# KiCad board Keeb.kicad_pcb
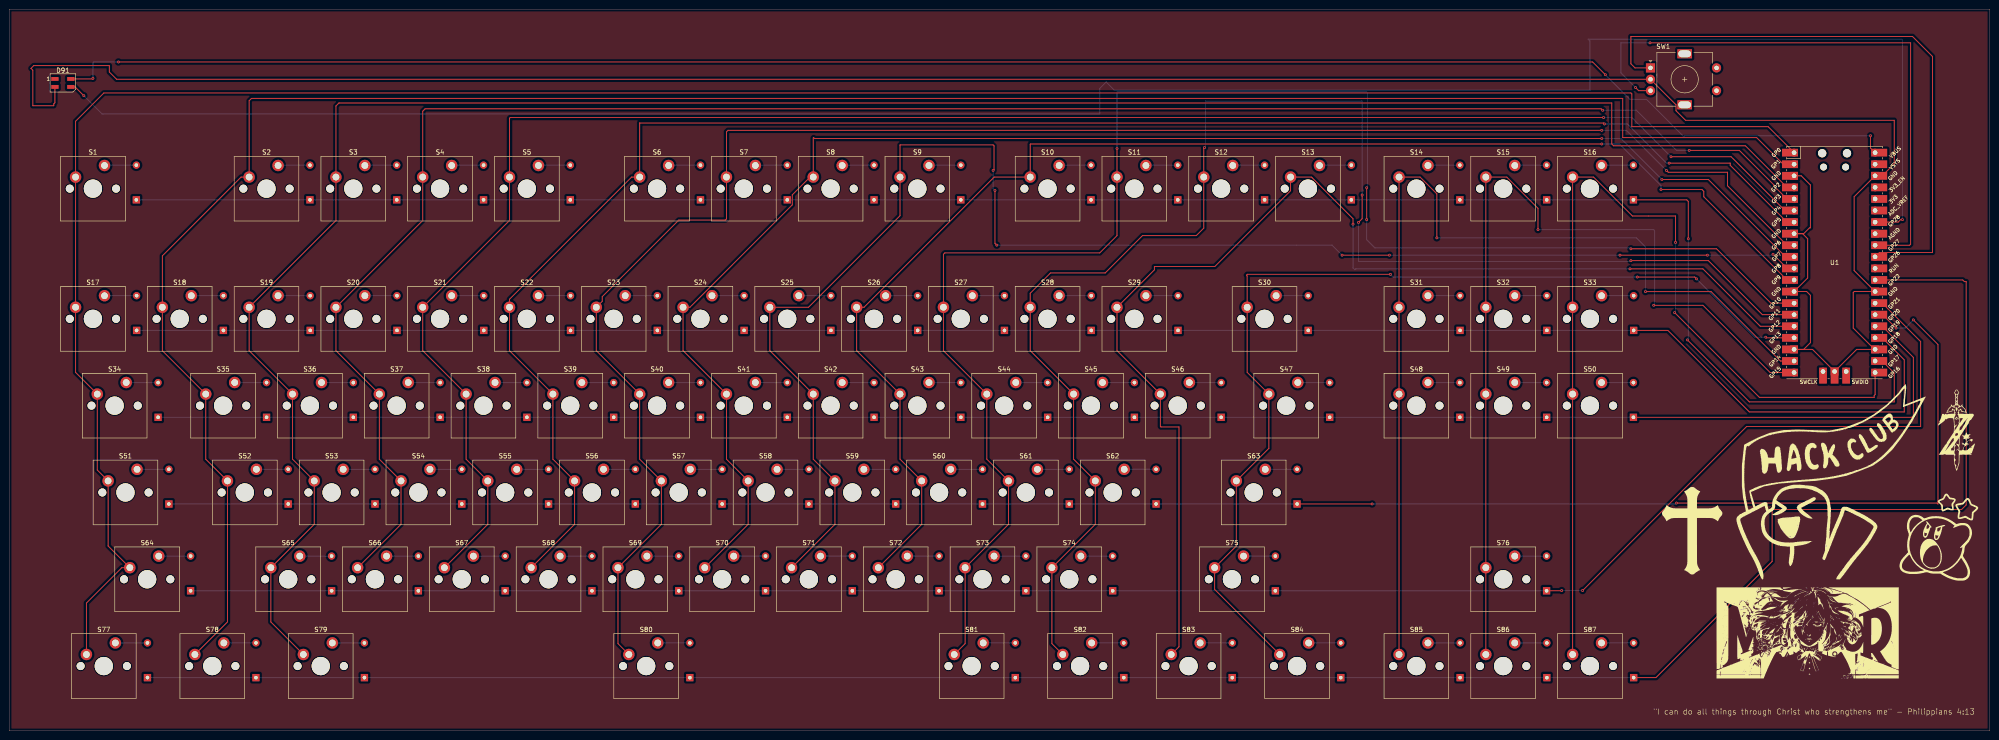
[diagram p0: board, top side]
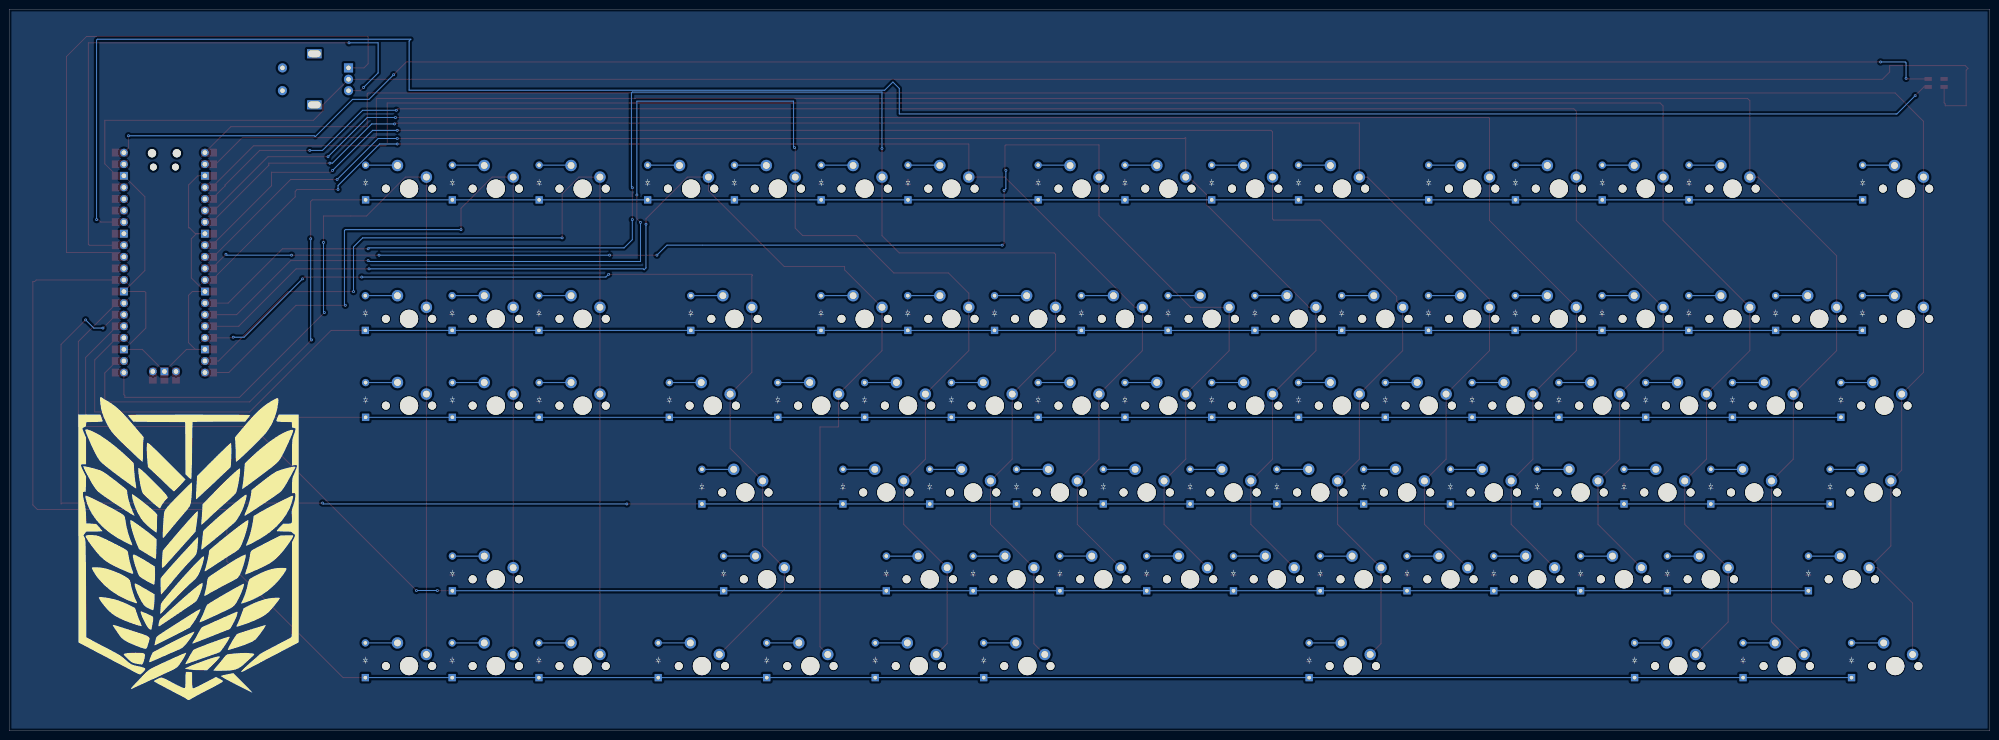
[diagram p1: board, bottom side, seen from below]

Outline 434.8 x 158.4 mm; copper layers: Top, Bottom. Coordinates in mm from the lower left corner of the outline.
Outline path: rectangle 0,158.4 434.8,0

## Placement (name value [footprint] x y rotation side)
D1  Diode  [Diode_DO-35]  27.94 116.54 90 bottom
D2  Diode  [Diode_DO-35]  66.04 116.54 90 bottom
D3  Diode  [Diode_DO-35]  85.09 116.54 90 bottom
D4  Diode  [Diode_DO-35]  104.14 116.54 90 bottom
D5  Diode  [Diode_DO-35]  123.19 116.54 90 bottom
D6  Diode  [Diode_DO-35]  151.76 116.54 90 bottom
D7  Diode  [Diode_DO-35]  170.81 116.54 90 bottom
D8  Diode  [Diode_DO-35]  189.86 116.54 90 bottom
D9  Diode  [Diode_DO-35]  208.91 116.54 90 bottom
D10  Diode  [Diode_DO-35]  237.49 116.54 90 bottom
D11  Diode  [Diode_DO-35]  256.54 116.54 90 bottom
D12  Diode  [Diode_DO-35]  275.59 116.54 90 bottom
D13  Diode  [Diode_DO-35]  294.64 116.54 90 bottom
D14  Diode  [Diode_DO-35]  318.45 116.54 90 bottom
D15  Diode  [Diode_DO-35]  337.5 116.54 90 bottom
D16  Diode  [Diode_DO-35]  356.55 116.54 90 bottom
D17  Diode  [Diode_DO-35]  27.99 87.89 90 bottom
D18  Diode  [Diode_DO-35]  47.04 87.89 90 bottom
D19  Diode  [Diode_DO-35]  66.09 87.89 90 bottom
D20  Diode  [Diode_DO-35]  85.14 87.89 90 bottom
D21  Diode  [Diode_DO-35]  104.19 87.89 90 bottom
D22  Diode  [Diode_DO-35]  123.24 87.89 90 bottom
D23  Diode  [Diode_DO-35]  142.29 87.89 90 bottom
D24  Diode  [Diode_DO-35]  161.34 87.89 90 bottom
D25  Diode  [Diode_DO-35]  180.39 87.89 90 bottom
D26  Diode  [Diode_DO-35]  199.44 87.89 90 bottom
D27  Diode  [Diode_DO-35]  218.49 87.89 90 bottom
D28  Diode  [Diode_DO-35]  237.54 87.89 90 bottom
D29  Diode  [Diode_DO-35]  256.59 87.89 90 bottom
D30  Diode  [Diode_DO-35]  285.16 87.89 90 bottom
D31  Diode  [Diode_DO-35]  318.5 87.89 90 bottom
D32  Diode  [Diode_DO-35]  337.55 87.89 90 bottom
D33  Diode  [Diode_DO-35]  356.6 87.89 90 bottom
D34  Diode  [Diode_DO-35]  32.7 68.82 90 bottom
D35  Diode  [Diode_DO-35]  56.51 68.82 90 bottom
D36  Diode  [Diode_DO-35]  75.56 68.82 90 bottom
D37  Diode  [Diode_DO-35]  94.61 68.82 90 bottom
D38  Diode  [Diode_DO-35]  113.66 68.82 90 bottom
D39  Diode  [Diode_DO-35]  132.71 68.82 90 bottom
D40  Diode  [Diode_DO-35]  151.76 68.82 90 bottom
D41  Diode  [Diode_DO-35]  170.81 68.82 90 bottom
D42  Diode  [Diode_DO-35]  189.86 68.82 90 bottom
D43  Diode  [Diode_DO-35]  208.91 68.82 90 bottom
D44  Diode  [Diode_DO-35]  227.96 68.82 90 bottom
D45  Diode  [Diode_DO-35]  247.01 68.82 90 bottom
D46  Diode  [Diode_DO-35]  266.06 68.82 90 bottom
D47  Diode  [Diode_DO-35]  289.88 68.82 90 bottom
D48  Diode  [Diode_DO-35]  318.45 68.82 90 bottom
D49  Diode  [Diode_DO-35]  337.5 68.82 90 bottom
D50  Diode  [Diode_DO-35]  356.55 68.82 90 bottom
D51  Diode  [Diode_DO-35]  35.07 49.8 90 bottom
D52  Diode  [Diode_DO-35]  61.27 49.8 90 bottom
D53  Diode  [Diode_DO-35]  80.31 49.8 90 bottom
D54  Diode  [Diode_DO-35]  99.36 49.8 90 bottom
D55  Diode  [Diode_DO-35]  118.42 49.8 90 bottom
D56  Diode  [Diode_DO-35]  137.46 49.8 90 bottom
D57  Diode  [Diode_DO-35]  156.51 49.8 90 bottom
D58  Diode  [Diode_DO-35]  175.56 49.8 90 bottom
D59  Diode  [Diode_DO-35]  194.62 49.8 90 bottom
D60  Diode  [Diode_DO-35]  213.67 49.8 90 bottom
D61  Diode  [Diode_DO-35]  232.72 49.8 90 bottom
D62  Diode  [Diode_DO-35]  251.76 49.8 90 bottom
D63  Diode  [Diode_DO-35]  282.72 49.8 90 bottom
D64  Diode  [Diode_DO-35]  39.83 30.75 90 bottom
D65  Diode  [Diode_DO-35]  70.79 30.75 90 bottom
D66  Diode  [Diode_DO-35]  89.84 30.75 90 bottom
D67  Diode  [Diode_DO-35]  108.89 30.75 90 bottom
D68  Diode  [Diode_DO-35]  127.94 30.75 90 bottom
D69  Diode  [Diode_DO-35]  146.99 30.75 90 bottom
D70  Diode  [Diode_DO-35]  166.04 30.75 90 bottom
D71  Diode  [Diode_DO-35]  185.09 30.75 90 bottom
D72  Diode  [Diode_DO-35]  204.14 30.75 90 bottom
D73  Diode  [Diode_DO-35]  223.19 30.75 90 bottom
D74  Diode  [Diode_DO-35]  242.24 30.75 90 bottom
D75  Diode  [Diode_DO-35]  277.96 30.75 90 bottom
D76  Diode  [Diode_DO-35]  337.49 30.75 90 bottom
D77  Diode  [Diode_DO-35]  30.37 11.69 90 bottom
D78  Diode  [Diode_DO-35]  54.18 11.69 90 bottom
D79  Diode  [Diode_DO-35]  77.99 11.69 90 bottom
D80  Diode  [Diode_DO-35]  149.43 11.69 90 bottom
D81  Diode  [Diode_DO-35]  220.87 11.69 90 bottom
D82  Diode  [Diode_DO-35]  244.68 11.69 90 bottom
D83  Diode  [Diode_DO-35]  268.49 11.69 90 bottom
D84  Diode  [Diode_DO-35]  292.31 11.69 90 bottom
D85  Diode  [Diode_DO-35]  318.5 11.69 90 bottom
D86  Diode  [Diode_DO-35]  337.55 11.69 90 bottom
D87  Diode  [Diode_DO-35]  356.6 11.69 90 bottom
D91  SK6812MINI  [LED_SK6812MINI_PLCC4_3.5x3.5mm_P1.75mm]  11.8 142.2 0 top
G***  LOGO  [KirbyV2]  423.8 42.5 0 top
G***#2  LOGO  [Hackclub]  399.8 54.5 0 top
G***#3  LOGO  [cross]  369.45 43.97 0 top
G***#4  LOGO  [Metaphor_Med]  394.8 21.5 0 top
G***#5  LOGO  [BOTW]  427.3 66 0 top
G***#6  LOGO  [Scouts_Large]  395.3 39.5 180 bottom
S1  Esc  [MX_PCB_1.00u]  18.4 119 0 top
S2  F1  [MX_PCB_1.00u]  56.5 119 0 top
S3  F2  [MX_PCB_1.00u]  75.55 119 0 top
S4  F3  [MX_PCB_1.00u]  94.6 119 0 top
S5  F4  [MX_PCB_1.00u]  113.65 119 0 top
S6  F5  [MX_PCB_1.00u]  142.23 119 0 top
S7  F6  [MX_PCB_1.00u]  161.27 119 0 top
S8  F7  [MX_PCB_1.00u]  180.32 119 0 top
S9  F8  [MX_PCB_1.00u]  199.38 119 0 top
S10  F9  [MX_PCB_1.00u]  227.95 119 0 top
S11  F10  [MX_PCB_1.00u]  247 119 0 top
S12  F11  [MX_PCB_1.00u]  266.05 119 0 top
S13  F12  [MX_PCB_1.00u]  285.1 119 0 top
S14  Keyswitch  [MX_PCB_1.00u]  308.91 119 0 top
S15  Keyswitch  [MX_PCB_1.00u]  327.96 119 0 top
S16  Keyswitch  [MX_PCB_1.00u]  347.01 119 0 top
S17  Keyswitch  [MX_PCB_1.00u]  18.4 90.42 0 top
S18  Keyswitch  [MX_PCB_1.00u]  37.45 90.42 0 top
S19  Keyswitch  [MX_PCB_1.00u]  56.5 90.42 0 top
S20  Keyswitch  [MX_PCB_1.00u]  75.55 90.42 0 top
S21  Keyswitch  [MX_PCB_1.00u]  94.6 90.42 0 top
S22  Keyswitch  [MX_PCB_1.00u]  113.65 90.42 0 top
S23  Keyswitch  [MX_PCB_1.00u]  132.7 90.42 0 top
S24  Keyswitch  [MX_PCB_1.00u]  151.75 90.42 0 top
S25  Keyswitch  [MX_PCB_1.00u]  170.8 90.42 0 top
S26  Keyswitch  [MX_PCB_1.00u]  189.85 90.42 0 top
S27  Keyswitch  [MX_PCB_1.00u]  208.9 90.42 0 top
S28  Keyswitch  [MX_PCB_1.00u]  227.95 90.42 0 top
S29  Keyswitch  [MX_PCB_1.00u]  247 90.42 0 top
S30  Backspace  [MX_PCB_2.00u]  275.57 90.42 0 top
S31  Keyswitch  [MX_PCB_1.00u]  308.91 90.42 0 top
S32  Keyswitch  [MX_PCB_1.00u]  327.96 90.42 0 top
S33  Keyswitch  [MX_PCB_1.00u]  347.01 90.42 0 top
S34  Tab  [MX_PCB_1.50u]  23.16 71.38 0 top
S35  Keyswitch  [MX_PCB_1.00u]  46.97 71.38 0 top
S36  Keyswitch  [MX_PCB_1.00u]  66.02 71.38 0 top
S37  Keyswitch  [MX_PCB_1.00u]  85.08 71.38 0 top
S38  Keyswitch  [MX_PCB_1.00u]  104.12 71.38 0 top
S39  Keyswitch  [MX_PCB_1.00u]  123.17 71.38 0 top
S40  Keyswitch  [MX_PCB_1.00u]  142.23 71.38 0 top
S41  Keyswitch  [MX_PCB_1.00u]  161.27 71.38 0 top
S42  Keyswitch  [MX_PCB_1.00u]  180.32 71.38 0 top
S43  Keyswitch  [MX_PCB_1.00u]  199.38 71.38 0 top
S44  Keyswitch  [MX_PCB_1.00u]  218.43 71.38 0 top
S45  Keyswitch  [MX_PCB_1.00u]  237.48 71.38 0 top
S46  Keyswitch  [MX_PCB_1.00u]  256.53 71.38 0 top
S47  Keyswitch  [MX_PCB_1.50u]  280.34 71.38 0 top
S48  Keyswitch  [MX_PCB_1.00u]  308.91 71.38 0 top
S49  Keyswitch  [MX_PCB_1.00u]  327.96 71.38 0 top
S50  Keyswitch  [MX_PCB_1.00u]  347.01 71.38 0 top
S51  Caps Lock  [MX_PCB_1.75u]  25.54 52.32 0 top
S52  Keyswitch  [MX_PCB_1.00u]  51.74 52.32 0 top
S53  Keyswitch  [MX_PCB_1.00u]  70.79 52.32 0 top
S54  Keyswitch  [MX_PCB_1.00u]  89.84 52.32 0 top
S55  Keyswitch  [MX_PCB_1.00u]  108.89 52.32 0 top
S56  Keyswitch  [MX_PCB_1.00u]  127.94 52.32 0 top
S57  Keyswitch  [MX_PCB_1.00u]  146.99 52.32 0 top
S58  Keyswitch  [MX_PCB_1.00u]  166.04 52.32 0 top
S59  Keyswitch  [MX_PCB_1.00u]  185.09 52.32 0 top
S60  Keyswitch  [MX_PCB_1.00u]  204.14 52.32 0 top
S61  Keyswitch  [MX_PCB_1.00u]  223.19 52.32 0 top
S62  Keyswitch  [MX_PCB_1.00u]  242.24 52.32 0 top
S63  Enter  [MX_PCB_2.25u]  273.19 52.32 0 top
S64  Shift  [MX_PCB_2.25u]  30.31 33.28 0 top
S65  Keyswitch  [MX_PCB_1.00u]  61.26 33.28 0 top
S66  Keyswitch  [MX_PCB_1.00u]  80.31 33.28 0 top
S67  Keyswitch  [MX_PCB_1.00u]  99.36 33.28 0 top
S68  Keyswitch  [MX_PCB_1.00u]  118.41 33.28 0 top
S69  Keyswitch  [MX_PCB_1.00u]  137.46 33.28 0 top
S70  Keyswitch  [MX_PCB_1.00u]  156.51 33.28 0 top
S71  Keyswitch  [MX_PCB_1.00u]  175.56 33.28 0 top
S72  Keyswitch  [MX_PCB_1.00u]  194.61 33.28 0 top
S73  Keyswitch  [MX_PCB_1.00u]  213.66 33.28 0 top
S74  Keyswitch  [MX_PCB_1.00u]  232.71 33.28 0 top
S75  Shift  [MX_PCB_2.75u]  268.43 33.28 0 top
S76  Keyswitch  [MX_PCB_1.00u]  327.96 33.28 0 top
S77  Ctrl  [MX_PCB_1.25u]  20.78 14.22 0 top
S78  Win  [MX_PCB_1.25u]  44.59 14.22 0 top
S79  Alt  [MX_PCB_1.25u]  68.41 14.22 0 top
S80  Space  [MX_PCB_6.25u]  139.84 14.22 0 top
S81  Alt  [MX_PCB_1.25u]  211.28 14.22 0 top
S82  Win  [MX_PCB_1.25u]  235.09 14.22 0 top
S83  Menu  [MX_PCB_1.25u]  258.91 14.22 0 top
S84  Ctrl  [MX_PCB_1.25u]  282.72 14.22 0 top
S85  Keyswitch  [MX_PCB_1.00u]  308.91 14.22 0 top
S86  Keyswitch  [MX_PCB_1.00u]  327.96 14.22 0 top
S87  Keyswitch  [MX_PCB_1.00u]  347.01 14.22 0 top
SW1  RotaryEncoder_Switch  [RotaryEncoder_Alps_EC11E-Switch_Vertical_H20mm]  360.3 145.5 0 top
U1  Pico  [RPi_Pico_SMD_TH]  400.71 102.77 0 top

## Library data of the parts
D1-D87 = -: Description: 1N4148 (DO-35) or 1N4148W (SOD-123); Sim.Device: D; Sim.Pins: 1=K 2=A; ki_fp_filters: D*DO?35*
D91 = -: Datasheet: https://cdn-shop.adafruit.com/product-files/2686/SK6812MINI_REV.01-1-2.pdf; Description: RGB LED with integrated controller; ki_fp_filters: LED*SK6812MINI*PLCC*3.5x3.5mm*P1.75mm*
S1-S87 = -: Description: Push button switch, normally open, two pins, 45° tilted
SW1 = -: Description: Rotary encoder, dual channel, incremental quadrate outputs, with switch; ki_fp_filters: RotaryEncoder*Switch*

## Footprints (pads in the part's own frame, mm; a bottom-side part is the same pattern mirrored in y, then rotated)
Diode_DO-35
  rect 1.6x1.6 hole 0.8: 1(0,0)
  oval 1.6x1.6 hole 0.8: 2(7.62,0)
LED_SK6812MINI_PLCC4_3.5x3.5mm_P1.75mm
  rect 1.6x0.85 smd: 1(-1.75,0.875) 2(-1.75,-0.875) 3(1.75,-0.875) 4(1.75,0.875)
MX_PCB_1.00u
  round 1.75 hole 1.75 unplated: (-5.08,0) (5.08,0)
  round 4 hole 4 unplated: (0,0)
  round 2.5 hole 1.5: 1(-3.81,2.54) 2(2.54,5.08)
MX_PCB_1.25u
  round 1.75 hole 1.75 unplated: (-5.08,0) (5.08,0)
  round 4 hole 4 unplated: (0,0)
  round 2.5 hole 1.5: 1(-3.81,2.54) 2(2.54,5.08)
MX_PCB_1.50u
  round 1.75 hole 1.75 unplated: (-5.08,0) (5.08,0)
  round 4 hole 4 unplated: (0,0)
  round 2.5 hole 1.5: 1(-3.81,2.54) 2(2.54,5.08)
MX_PCB_1.75u
  round 1.75 hole 1.75 unplated: (-5.08,0) (5.08,0)
  round 4 hole 4 unplated: (0,0)
  round 2.5 hole 1.5: 1(-3.81,2.54) 2(2.54,5.08)
MX_PCB_2.00u
  round 1.75 hole 1.75 unplated: (-5.08,0) (5.08,0)
  round 4 hole 4 unplated: (0,0)
  round 2.5 hole 1.5: 1(-3.81,2.54) 2(2.54,5.08)
MX_PCB_2.25u
  round 1.75 hole 1.75 unplated: (-5.08,0) (5.08,0)
  round 4 hole 4 unplated: (0,0)
  round 2.5 hole 1.5: 1(-3.81,2.54) 2(2.54,5.08)
MX_PCB_2.75u
  round 1.75 hole 1.75 unplated: (-5.08,0) (5.08,0)
  round 4 hole 4 unplated: (0,0)
  round 2.5 hole 1.5: 1(-3.81,2.54) 2(2.54,5.08)
MX_PCB_6.25u
  round 1.75 hole 1.75 unplated: (-5.08,0) (5.08,0)
  round 4 hole 4 unplated: (0,0)
  round 2.5 hole 1.5: 1(-3.81,2.54) 2(2.54,5.08)
RotaryEncoder_Alps_EC11E-Switch_Vertical_H20mm
  rect 2x2 hole 1: A(0,0)
  round 2 hole 1: B(0,-5) C(0,-2.5) S1(14.5,-5) S2(14.5,0)
  rect 3.2x2 hole 2.8x1.5: MP(7.5,3.1) MP(7.5,-8.1)
RPi_Pico_SMD_TH
  oval 1.8x1.8 hole 1.8 unplated: (-2.725,24) (2.725,24)
  oval 1.5x1.5 hole 1.5 unplated: (-2.425,20.97) (2.425,20.97)
  oval 1.7x1.7 hole 1.02: 1(-8.89,24.13) 2(-8.89,21.59) 4(-8.89,16.51) 5(-8.89,13.97) 6(-8.89,11.43) 7(-8.89,8.89) 9(-8.89,3.81) 10(-8.89,1.27) 11(-8.89,-1.27) 12(-8.89,-3.81) 14(-8.89,-8.89) 15(-8.89,-11.43) 16(-8.89,-13.97) 17(-8.89,-16.51) 19(-8.89,-21.59) 20(-8.89,-24.13) 21(8.89,-24.13) 22(8.89,-21.59) 24(8.89,-16.51) 25(8.89,-13.97) 26(8.89,-11.43) 27(8.89,-8.89) 29(8.89,-3.81) 30(8.89,-1.27) 31(8.89,1.27) 32(8.89,3.81) 34(8.89,8.89) 35(8.89,11.43) 36(8.89,13.97) 37(8.89,16.51) 39(8.89,21.59) 40(8.89,24.13) 41(-2.54,-23.9) 43(2.54,-23.9)
  rect 3.5x1.7 smd: 1(-8.89,24.13) 2(-8.89,21.59) 3(-8.89,19.05) 4(-8.89,16.51) 5(-8.89,13.97) 6(-8.89,11.43) 7(-8.89,8.89) 8(-8.89,6.35) 9(-8.89,3.81) 10(-8.89,1.27) 11(-8.89,-1.27) 12(-8.89,-3.81) 13(-8.89,-6.35) 14(-8.89,-8.89) 15(-8.89,-11.43) 16(-8.89,-13.97) 17(-8.89,-16.51) 18(-8.89,-19.05) 19(-8.89,-21.59) 20(-8.89,-24.13) 21(8.89,-24.13) 22(8.89,-21.59) 23(8.89,-19.05) 24(8.89,-16.51) 25(8.89,-13.97) 26(8.89,-11.43) 27(8.89,-8.89) 28(8.89,-6.35) 29(8.89,-3.81) 30(8.89,-1.27) 31(8.89,1.27) 32(8.89,3.81) 33(8.89,6.35) 34(8.89,8.89) 35(8.89,11.43) 36(8.89,13.97) 37(8.89,16.51) 38(8.89,19.05) 39(8.89,21.59) 40(8.89,24.13)
  rect 1.7x1.7 hole 1.02: 3(-8.89,19.05) 8(-8.89,6.35) 13(-8.89,-6.35) 18(-8.89,-19.05) 23(8.89,-19.05) 28(8.89,-6.35) 33(8.89,6.35) 38(8.89,19.05) 42(0,-23.9)
  rect 1.7x3.5 smd: 41(-2.54,-23.9) 42(0,-23.9) 43(2.54,-23.9)

## Nets
+5V: D91.4 U1.40
GND: D91.2 SW1.C U1.3 U1.8 U1.13 U1.18 U1.23 U1.28 U1.38 U1.42
COL0: S1.1 S17.1 S34.1 S51.1 S64.1 S77.1 U1.1
COL1: S2.1 S18.1 S35.1 S52.1 S78.1 U1.2
COL2: S3.1 S19.1 S36.1 S53.1 S65.1 S79.1 U1.4
COL3: S4.1 S20.1 S37.1 S54.1 S66.1 U1.5
COL4: S5.1 S21.1 S38.1 S55.1 S67.1 U1.6
COL5: S6.1 S22.1 S39.1 S56.1 S68.1 U1.7
COL6: S7.1 S23.1 S40.1 S57.1 S69.1 S80.1 U1.9
COL7: S8.1 S24.1 S41.1 S58.1 S70.1 U1.10
COL8: S9.1 S25.1 S42.1 S59.1 S71.1 U1.11
COL9: S10.1 S26.1 S43.1 S60.1 S72.1 U1.12
COL10: S11.1 S27.1 S44.1 S61.1 S73.1 S81.1 U1.14
COL11: S12.1 S28.1 S45.1 S62.1 S74.1 S82.1 U1.15
COL12: S13.1 S29.1 S46.1 S83.1 U1.16
COL13: S30.1 S47.1 S63.1 S75.1 S84.1 U1.17
COL14: S14.1 S31.1 S48.1 S85.1 U1.19
COL15: S15.1 S32.1 S49.1 S76.1 S86.1 U1.20
COL16: S16.1 S33.1 S50.1 S87.1 U1.21
EC-A: SW1.A U1.31
EC-B: SW1.B U1.32
POWERLED: D91.3 U1.34
ROW0: D1.1 D2.1 D3.1 D4.1 D5.1 D6.1 D7.1 D8.1 D9.1 D10.1 D11.1 D12.1 D13.1 D14.1 D15.1 D16.1 U1.22
ROW1: D17.1 D18.1 D19.1 D20.1 D21.1 D22.1 D23.1 D24.1 D25.1 D26.1 D27.1 D28.1 D29.1 D30.1 D31.1 D32.1 D33.1 U1.24
ROW2: D34.1 D35.1 D36.1 D37.1 D38.1 D39.1 D40.1 D41.1 D42.1 D43.1 D44.1 D45.1 D46.1 D47.1 D48.1 D49.1 D50.1 U1.25
ROW3: D51.1 D52.1 D53.1 D54.1 D55.1 D56.1 D57.1 D58.1 D59.1 D60.1 D61.1 D62.1 D63.1 U1.26
ROW4: D64.1 D65.1 D66.1 D67.1 D68.1 D69.1 D70.1 D71.1 D72.1 D73.1 D74.1 D75.1 D76.1 U1.27
ROW5: D77.1 D78.1 D79.1 D80.1 D81.1 D82.1 D83.1 D84.1 D85.1 D86.1 D87.1 U1.29
Net-(D1-A): D1.2 S1.2
Net-(D2-A): D2.2 S2.2
Net-(D3-A): D3.2 S3.2
Net-(D4-A): D4.2 S4.2
Net-(D5-A): D5.2 S5.2
Net-(D6-A): D6.2 S6.2
Net-(D7-A): D7.2 S7.2
Net-(D8-A): D8.2 S8.2
Net-(D9-A): D9.2 S9.2
Net-(D10-A): D10.2 S10.2
Net-(D11-A): D11.2 S11.2
Net-(D12-A): D12.2 S12.2
Net-(D13-A): D13.2 S13.2
Net-(D14-A): D14.2 S14.2
Net-(D15-A): D15.2 S15.2
Net-(D16-A): D16.2 S16.2
Net-(D17-A): D17.2 S17.2
Net-(D18-A): D18.2 S18.2
Net-(D19-A): D19.2 S19.2
Net-(D20-A): D20.2 S20.2
Net-(D21-A): D21.2 S21.2
Net-(D22-A): D22.2 S22.2
Net-(D23-A): D23.2 S23.2
Net-(D24-A): D24.2 S24.2
Net-(D25-A): D25.2 S25.2
Net-(D26-A): D26.2 S26.2
Net-(D27-A): D27.2 S27.2
Net-(D28-A): D28.2 S28.2
Net-(D29-A): D29.2 S29.2
Net-(D30-A): D30.2 S30.2
Net-(D31-A): D31.2 S31.2
Net-(D32-A): D32.2 S32.2
Net-(D33-A): D33.2 S33.2
Net-(D34-A): D34.2 S34.2
Net-(D35-A): D35.2 S35.2
Net-(D36-A): D36.2 S36.2
Net-(D37-A): D37.2 S37.2
Net-(D38-A): D38.2 S38.2
Net-(D39-A): D39.2 S39.2
Net-(D40-A): D40.2 S40.2
Net-(D41-A): D41.2 S41.2
Net-(D42-A): D42.2 S42.2
Net-(D43-A): D43.2 S43.2
Net-(D44-A): D44.2 S44.2
Net-(D45-A): D45.2 S45.2
Net-(D46-A): D46.2 S46.2
Net-(D47-A): D47.2 S47.2
Net-(D48-A): D48.2 S48.2
Net-(D49-A): D49.2 S49.2
Net-(D50-A): D50.2 S50.2
Net-(D51-A): D51.2 S51.2
Net-(D52-A): D52.2 S52.2
Net-(D53-A): D53.2 S53.2
Net-(D54-A): D54.2 S54.2
Net-(D55-A): D55.2 S55.2
Net-(D56-A): D56.2 S56.2
Net-(D57-A): D57.2 S57.2
Net-(D58-A): D58.2 S58.2
Net-(D59-A): D59.2 S59.2
Net-(D60-A): D60.2 S60.2
Net-(D61-A): D61.2 S61.2
Net-(D62-A): D62.2 S62.2
Net-(D63-A): D63.2 S63.2
Net-(D64-A): D64.2 S64.2
Net-(D65-A): D65.2 S65.2
Net-(D66-A): D66.2 S66.2
Net-(D67-A): D67.2 S67.2
Net-(D68-A): D68.2 S68.2
Net-(D69-A): D69.2 S69.2
Net-(D70-A): D70.2 S70.2
Net-(D71-A): D71.2 S71.2
Net-(D72-A): D72.2 S72.2
Net-(D73-A): D73.2 S73.2
Net-(D74-A): D74.2 S74.2
Net-(D75-A): D75.2 S75.2
Net-(D76-A): D76.2 S76.2
Net-(D77-A): D77.2 S77.2
Net-(D78-A): D78.2 S78.2
Net-(D79-A): D79.2 S79.2
Net-(D80-A): D80.2 S80.2
Net-(D81-A): D81.2 S81.2
Net-(D82-A): D82.2 S82.2
Net-(D83-A): D83.2 S83.2
Net-(D84-A): D84.2 S84.2
Net-(D85-A): D85.2 S85.2
Net-(D86-A): D86.2 S86.2
Net-(D87-A): D87.2 S87.2

Pads without a net: D91 1; SW1 MP S1 S2; U1 30 33 35 36 37 39 41 43

## Via types
v1: diameter 0.6, hole 0.3, Top to Bottom, 56 vias

## Routing (per net, layer and track width the routed paths; a pad name or vN(x,y) marks a point on that pad's centre or on a via; arc(x,y) is an arc through that point)
+5V: length 409.6
  Top w0.2: v1(408.6,130.6) 408.6,127.9 U1.40 ; v1(18.4,143.2) 18.27,143.07 D91.4 ; v1(24,146.8) 347.6,146.8 v1(350.4,144)
  Bottom w0.2: v1(18.4,143.2) 18.4,146.6 18.6,146.8 v1(24,146.8) ; v1(408.6,130.6) 367.8,130.6 367.6,130.4 359.4,138.6 355.8,138.6 v1(350.4,144)
GND: length 571
  Top w0.2: U1.3 393.38,121.82 395.4,119.8 395.4,110.4 395.2,110.4 393.92,109.12 U1.8 393.68,109.12 394.8,108 394.8,99.4 U1.13 394.58,96.42 395.4,95.6 395.4,85.2 393.92,83.72 U1.18 395.86,83.72 U1.42 405.56,83.72 U1.23 409.48,83.72 404.8,88.4 404.8,96.2 405.02,96.42 U1.28 405,101.02 405,117.22 U1.38 411.16,121.82 413.8,124.46 413.8,134 368,134 365.9,136.1 365.9,137.4 SW1.C 23.6,143 22,144.6 22,146 5.4,146 4.8,145.4 5.2,145 5.2,137.2 9.8,137.2 9.8,137.6 10.05,137.85 D91.2
COL0: length 516.4
  Top w0.2: U1.1 386.12,132.6 356.2,132.6 356.2,139.8 356,140 20.8,140 14.59,133.79 S1.1 S17.1 14.59,78.68 S34.1 19.35,57.25 S51.1 21.73,40.58 S64.1 24.73,35.81 16.97,28.06 S77.1
COL1: length 489.7
  Top w0.2: S78.1 47.93,23.91 S52.1 43.16,59.63 S35.1 33.64,83.44 S18.1 33.64,104.26 50.92,121.54 S2.1 52.69,138.29 53.2,138.8 354.2,138.8 354.2,130.2 383.6,130.2 389.44,124.36 U1.2
COL2: length 474.4
  Top w0.2: U1.4 390.26,119.28 381.14,128.4 352.2,128.4 351.8,128.8 351.8,137.8 72.4,137.8 71.74,137.14 S3.1 71.74,112.02 S19.1 52.69,83.44 62.22,73.92 62.22,59.63 S53.1 66.98,45.34 S65.1 57.45,23.91 S79.1
COL3: length 427.5
  Top w0.2: v1(349.8,136.2) 349.48,136.52 91.32,136.52 90.79,135.99 S4.1 90.79,112.02 S20.1 71.74,83.44 S37.1 81.27,59.63 S54.1 86.03,45.34 S66.1 ; U1.5 390.26,116.74 387.4,119.6 387.4,119.8 379.8,127.4 v1(368.8,127.4)
  Bottom w0.2: v1(349.8,136.2) 357.2,136.2 366,127.4 v1(368.8,127.4)
COL4: length 406.9
  Top w0.2: v1(364.8,126) 378,126 389.8,114.2 U1.6 ; S67.1 105.08,45.34 S55.1 100.31,59.63 S38.1 90.79,83.44 S21.1 109.84,112.02 S5.1 109.84,134.44 110,134.6 v1(350,134.6)
  Bottom w0.2: v1(364.8,126) 356.2,134.6 v1(350,134.6)
COL5: length 383
  Top w0.2: v1(350.2,133.2) 350,133.4 138.4,133.4 138.42,133.38 S6.1 136.65,121.54 109.84,94.73 S22.1 109.84,83.44 S39.1 119.36,59.63 S56.1 124.13,45.34 S68.1 ; v1(364.4,124.6) 377.8,124.6 377.8,124.12 390.26,111.66 U1.7
  Bottom w0.2: v1(364.4,124.6) 363.8,124.6 355.2,133.2 v1(350.2,133.2)
COL6: length 390
  Top w0.2: U1.9 390.26,106.58 377.2,119.64 377.2,122.6 364.2,122.6 v1(363.8,123) ; S80.1 133.65,19.15 S69.1 143.18,45.34 S57.1 138.42,59.63 S40.1 128.89,83.44 S23.1 130.2,94.28 130.2,95.3 147,112.1 157.2,112.1 157.46,112.36 S7.1 157.46,131.47 157.8,131.8 v1(349.6,131.8)
  Bottom w0.2: v1(349.6,131.8) 355,131.8 v1(363.8,123)
COL7: length 343.5
  Top w0.2: U1.10 389.96,104.04 373,121 v1(362.8,121) ; S70.1 162.23,45.34 S58.1 157.46,59.63 S41.1 147.94,83.44 S24.1 149.44,92.97 171.91,115.44 171.91,117.64 175.81,121.54 S8.1 176.51,130.12 176.6,130.2 176.8,130 v1(349.6,130)
  Bottom w0.2: v1(349.6,130) 353.8,130 v1(362.8,121)
COL8: length 339.7
  Top w0.2: v1(216,123) 216.2,123.2 216.2,128.4 216,128.6 195.6,128.6 195.56,128.56 S9.1 195.56,113.06 175.46,92.97 S25.1 166.99,83.44 S42.1 176.51,59.63 S59.1 181.28,45.34 S71.1 ; v1(292.6,104.4) v1(303,104.4) ; v1(387.2,104.6) 390.3,101.5 U1.11 ; v1(216.8,106.6) 216.4,107 v1(216.4,118.6) ; v1(353.6,104.4) v1(372.8,104.4)
  Bottom w0.2: v1(216,123) 216,119 v1(216.4,118.6) ; v1(372.8,104.4) 387,104.4 v1(387.2,104.6) ; v1(303,104.4) v1(353.6,104.4) ; v1(216.8,106.6) 290.4,106.6 v1(292.6,104.4)
COL9: length 305.4
  Top w0.2: v1(349.6,128.8) 224.2,128.8 224.14,128.74 S10.1 216.23,121.54 187.66,92.97 S26.1 186.04,83.44 S43.1 195.56,59.63 S60.1 200.33,45.34 S72.1 ; v1(362.6,118.8) 371.6,118.8 372,118.4 372,117.22 390.26,98.96 U1.12
  Bottom w0.2: v1(362.6,118.8) 362.6,119.67 353.47,128.8 v1(349.6,128.8)
COL10: length 356.9
  Top w0.2: v1(298,119.2) v1(298,112.2) ; U1.14 386.72,93.88 374.8,105.8 v1(356,105.8) ; S81.1 209.85,19.15 S73.1 219.38,45.34 S61.1 214.62,59.63 S44.1 205.09,83.44 S27.1 205.09,104.59 205.4,104.9 239.4,104.9 243.19,108.69 S11.1 243.19,127.79 v1(243.2,127.8)
  Bottom w0.2: v1(298,119.2) 298.2,119.4 298.2,140 298,140.2 243.2,140.2 v1(243.2,127.8) ; v1(356,105.8) 355.8,106 299.8,106 298,107.8 v1(298,112.2)
COL11: length 332.7
  Top w0.2: v1(296.2,111.6) 297,112.4 v1(297,117.6) ; v1(356,103.2) 373,103.2 384.86,91.34 U1.15 ; v1(262.4,128) 262.24,127.84 S12.1 262.24,110.34 260.6,108.7 248.8,108.7 240.6,100.5 228.6,100.5 224.14,96.04 S28.1 224.14,83.44 S45.1 233.67,59.63 S62.1 238.43,45.34 S74.1 228.9,19.15 S82.1
  Bottom w0.2: v1(262.4,128) 262.6,128.2 262.6,138.2 297,138.2 v1(297,117.6) ; v1(296.2,111.6) 296.2,103 355.8,103 v1(356,103.2)
COL12: length 267.6
  Top w0.2: S83.1 256.8,18.47 256.8,66.7 252.84,66.7 252.72,66.83 S46.1 243.19,83.44 S29.1 251.4,101.17 251.4,101.9 264.65,101.9 281.29,118.54 S13.1 285.86,121.54 286.05,121.35 286.07,121.35 287.45,119.97 287.45,119.95 295,112.4 v1(295,111.2) ; U1.16 384.4,88.8 371.8,101.4 v1(355.8,101.4)
  Bottom w0.2: v1(355.8,101.4) 295.6,101.4 295.4,101.2 295,101.6 v1(295,111.2)
COL13: length 222.2
  Top w0.2: S84.1 264.62,31.05 S75.1 269.38,40.58 S63.1 276.53,62.01 S47.1 271.76,78.68 S30.1 271.76,99.83 271.6,100 271.8,100.2 v1(303.2,100.2) ; v1(357.4,99.6) 370,99.6 v1(370.4,99.2) ; v1(385.6,86.4) 385.74,86.26 U1.17
  Bottom w0.2: v1(370.4,99.2) 383.2,86.4 v1(385.6,86.4) ; v1(303.2,100.2) 303.8,99.6 v1(357.4,99.6)
COL14: length 219.6
  Top w0.2: U1.19 388.82,81.18 373.6,96.4 v1(359.2,96.4) ; v1(313.4,108.2) 313.4,117.86 309.72,121.54 S14.1 S31.1 S48.1 S85.1
  Bottom w0.2: v1(313.4,108.2) 357.2,108.2 359.2,106.2 v1(359.2,96.4)
COL15: length 202.8
  Top w0.2: S86.1 S76.1 S49.1 S32.1 S15.1 328.75,121.54 335.6,114.69 v1(335.6,110) ; v1(361,93.4) 371.8,93.4 386.56,78.64 U1.20
  Bottom w0.2: v1(335.6,110) 361,110 361.2,109.8 361.2,93.6 v1(361,93.4)
COL16: length 209.2
  Top w0.2: v1(365.8,107.2) 365.8,113 356.34,113 347.8,121.54 S16.1 S33.1 S50.1 S87.1 ; U1.21 409.6,73.8 409.4,73.6 409.4,73.2 384.2,73.2 v1(365.6,91.8)
  Bottom w0.2: v1(365.8,107.2) 365.8,92 v1(365.6,91.8)
EC-A: length 134.7
  Top w0.2: SW1.A 356.9,145.5 356,146.4 356,152.4 417.8,152.4 422.2,148 422.2,105 410.56,105 U1.31
EC-B: length 130.4
  Top w0.2: v1(360.2,151) 417.4,151 417.4,106.8 417.18,106.58 U1.32 ; SW1.B 357.7,140.5 v1(357,141.2)
  Bottom w0.2: v1(360.2,151) 353.8,151 353.8,144.4 v1(357,141.2)
POWERLED: length 468.9
  Top w0.2: v1(415.6,112.2) 415.2,112.2 414.66,111.66 U1.34 ; D91.3 14.47,141.32 v1(16.4,139.4)
  Bottom w0.2: v1(16.4,139.4) 20.4,135.4 239.4,135.4 239.4,141 240.8,142.4 242.6,140.6 347,140.6 347,151.4 346.6,151.8 415.4,151.8 415.6,151.6 v1(415.6,112.2)
ROW0: length 434
  Top w0.2: v1(368.6,108) 368.6,116.2 368.26,116.54 D16.1 ; U1.22 411.16,81.18 413.8,78.54 413.8,72.2 382,72.2 v1(368.4,85.8)
  Bottom w0.2: D1.1 D2.1 D3.1 D4.1 D5.1 D6.1 D7.1 D8.1 D9.1 D10.1 D11.1 D12.1 D13.1 D14.1 D15.1 D16.1 ; v1(368.4,85.8) 368.6,86 v1(368.6,108)
ROW1: length 415.2
  Top w0.2: D33.1 364.11,87.89 382,70 416,70 416,81.42 411.16,86.26 U1.24
  Bottom w0.2: D33.1 D32.1 D31.1 D30.1 D29.1 D28.1 D27.1 D26.1 D25.1 D24.1 D23.1 D22.1 D21.1 D20.1 D19.1 D18.1 D17.1
ROW2: length 409.5
  Top w0.2: D50.1 417.62,68.82 418,69.2 418,81.96 411.16,88.8 U1.25
  Bottom w0.2: D34.1 D35.1 D36.1 D37.1 D38.1 D39.1 D40.1 D41.1 D42.1 D43.1 D44.1 D45.1 D46.1 D47.1 D48.1 D49.1 D50.1
ROW3: length 441.5
  Top w0.2: v1(418,90.2) 423.4,84.8 423.4,49.8 423.2,50 v1(366,50) ; D63.1 v1(299.2,49.8) ; U1.26 411.26,91.34 v1(414.2,88.4)
  Bottom w0.2: D51.1 D52.1 D53.1 D54.1 D55.1 D56.1 D57.1 D58.1 D59.1 D60.1 D61.1 D62.1 D63.1 ; v1(418,90.2) 416.2,88.4 v1(414.2,88.4) ; v1(299.2,49.8) 365.8,49.8 v1(366,50)
ROW4: length 426.8
  Top w0.2: D76.1 340.75,30.75 v1(340.8,30.8) ; U1.27 411.16,93.88 419.6,85.44 419.6,66.8 381.4,66.8 v1(345.4,30.8)
  Bottom w0.2: D76.1 D75.1 D74.1 D73.1 D72.1 D71.1 D70.1 D69.1 D68.1 D67.1 D66.1 D65.1 D64.1 ; v1(340.8,30.8) v1(345.4,30.8)
ROW5: length 490.8
  Top w0.2: U1.29 428.84,98.96 429.2,98.6 429.6,98.6 429.6,49.6 428.6,48.6 387,48.6 387,37.2 361.49,11.69 D87.1
  Bottom w0.2: D87.1 D86.1 D85.1 D84.1 D83.1 D82.1 D81.1 D80.1 D79.1 D78.1 D77.1
Net-(D1-A): length 7
  Bottom w0.2: D1.2 21.02,124.16 S1.2
Net-(D2-A): length 7
  Bottom w0.2: D2.2 59.12,124.16 S2.2
Net-(D3-A): length 7
  Bottom w0.2: D3.2 78.17,124.16 S3.2
Net-(D4-A): length 7
  Bottom w0.2: D4.2 97.22,124.16 S4.2
Net-(D5-A): length 7
  Bottom w0.2: S5.2 116.27,124.16 D5.2
Net-(D6-A): length 7
  Bottom w0.2: D6.2 144.84,124.16 S6.2
Net-(D7-A): length 7
  Bottom w0.2: D7.2 163.89,124.16 S7.2
Net-(D8-A): length 7
  Bottom w0.2: D8.2 182.94,124.16 S8.2
Net-(D9-A): length 7
  Bottom w0.2: D9.2 202,124.16 201.92,124.08
Net-(D10-A): length 7
  Bottom w0.2: S10.2 230.57,124.16 D10.2
Net-(D11-A): length 7
  Bottom w0.2: S11.2 249.62,124.16 D11.2
Net-(D12-A): length 7
  Bottom w0.2: D12.2 268.67,124.16 S12.2
Net-(D13-A): length 7
  Bottom w0.2: S13.2 287.72,124.16 D13.2
Net-(D14-A): length 7
  Bottom w0.2: S14.2 311.53,124.16 D14.2
Net-(D15-A): length 7
  Bottom w0.2: D15.2 330.58,124.16 S15.2
Net-(D16-A): length 7
  Bottom w0.2: D16.2 349.63,124.16 S16.2
Net-(D17-A): length 7
  Bottom w0.2: S17.2 20.94,95.51 D17.2
Net-(D18-A): length 7
  Bottom w0.2: D18.2 39.99,95.51 S18.2
Net-(D19-A): length 7
  Bottom w0.2: S19.2 59.05,95.51 D19.2
Net-(D20-A): length 7
  Bottom w0.2: S20.2 78.09,95.51 D20.2
Net-(D21-A): length 7
  Bottom w0.2: D21.2 97.14,95.51 S21.2
Net-(D22-A): length 7
  Bottom w0.2: D22.2 116.2,95.51 S22.2
Net-(D23-A): length 7
  Bottom w0.2: D23.2 135.25,95.51 S23.2
Net-(D24-A): length 7
  Bottom w0.2: D24.2 154.3,95.51 S24.2
Net-(D25-A): length 7
  Bottom w0.2: S25.2 173.34,95.51 D25.2
Net-(D26-A): length 7
  Bottom w0.2: D26.2 192.39,95.51 S26.2
Net-(D27-A): length 7
  Bottom w0.2: D27.2 211.44,95.51 S27.2
Net-(D28-A): length 7
  Bottom w0.2: S28.2 230.5,95.51 D28.2
Net-(D29-A): length 7
  Bottom w0.2: S29.2 249.55,95.51 D29.2
Net-(D30-A): length 7
  Bottom w0.2: S30.2 278.12,95.51 D30.2
Net-(D31-A): length 7
  Bottom w0.2: S31.2 311.46,95.51 D31.2
Net-(D32-A): length 7
  Bottom w0.2: D32.2 330.51,95.51 S32.2
Net-(D33-A): length 7
  Bottom w0.2: D33.2 349.56,95.51 S33.2
Net-(D34-A): length 7
  Bottom w0.2: D34.2 25.72,76.44 S34.2
Net-(D35-A): length 7
  Bottom w0.2: S35.2 49.53,76.44 D35.2
Net-(D36-A): length 7
  Bottom w0.2: S36.2 68.58,76.44 D36.2
Net-(D37-A): length 7
  Bottom w0.2: D37.2 87.63,76.44 S37.2
Net-(D38-A): length 7
  Bottom w0.2: D38.2 106.68,76.44 S38.2
Net-(D39-A): length 7
  Bottom w0.2: D39.2 125.73,76.44 S39.2
Net-(D40-A): length 7
  Bottom w0.2: D40.2 144.78,76.44 S40.2
Net-(D41-A): length 7
  Bottom w0.2: S41.2 163.83,76.44 D41.2
Net-(D42-A): length 7
  Bottom w0.2: D42.2 182.88,76.44 S42.2
Net-(D43-A): length 7
  Bottom w0.2: 201.92,76.45 201.93,76.44 D43.2
Net-(D44-A): length 7
  Bottom w0.2: S44.2 220.98,76.44 D44.2
Net-(D45-A): length 7
  Bottom w0.2: S45.2 240.03,76.44 D45.2
Net-(D46-A): length 7
  Bottom w0.2: 259.06,76.45 259.08,76.44 D46.2
Net-(D47-A): length 7
  Bottom w0.2: D47.2 282.89,76.44 S47.2
Net-(D48-A): length 7
  Bottom w0.2: S48.2 311.47,76.44 D48.2
Net-(D49-A): length 7
  Bottom w0.2: D49.2 330.52,76.44 S49.2
Net-(D50-A): length 7
  Bottom w0.2: S50.2 349.57,76.44 D50.2
Net-(D51-A): length 7
  Bottom w0.2: D51.2 35.06,57.41 S51.2
Net-(D52-A): length 7
  Bottom w0.2: D52.2 61.25,57.41 S52.2
Net-(D53-A): length 7
  Bottom w0.2: S53.2 80.3,57.41 D53.2
Net-(D54-A): length 7
  Bottom w0.2: S54.2 99.35,57.41 D54.2
Net-(D55-A): length 7
  Bottom w0.2: D55.2 118.4,57.41 S55.2
Net-(D56-A): length 7
  Bottom w0.2: S56.2 137.45,57.41 D56.2
Net-(D57-A): length 7
  Bottom w0.2: D57.2 156.5,57.41 S57.2
Net-(D58-A): length 7
  Bottom w0.2: S58.2 175.55,57.41 D58.2
Net-(D59-A): length 7
  Bottom w0.2: S59.2 194.6,57.41 D59.2
Net-(D60-A): length 7
  Bottom w0.2: S60.2 213.65,57.41 D60.2
Net-(D61-A): length 7
  Bottom w0.2: D61.2 232.7,57.41 S61.2
Net-(D62-A): length 7
  Bottom w0.2: S62.2 244.79,57.42 D62.2
Net-(D63-A): length 7
  Bottom w0.2: S63.2 282.71,57.41 D63.2
Net-(D64-A): length 7
  Bottom w0.2: S64.2 39.82,38.35 D64.2
Net-(D65-A): length 7
  Bottom w0.2: S65.2 70.77,38.35 D65.2
Net-(D66-A): length 7
  Bottom w0.2: S66.2 89.83,38.35 D66.2
Net-(D67-A): length 7
  Bottom w0.2: D67.2 108.87,38.35 S67.2
Net-(D68-A): length 7
  Bottom w0.2: D68.2 127.92,38.35 S68.2
Net-(D69-A): length 7
  Bottom w0.2: D69.2 146.98,38.35 S69.2
Net-(D70-A): length 7
  Bottom w0.2: D70.2 159.07,38.37 S70.2
Net-(D71-A): length 7
  Bottom w0.2: S71.2 178.12,38.37 D71.2
Net-(D72-A): length 7
  Bottom w0.2: D72.2 197.17,38.37 S72.2
Net-(D73-A): length 7
  Bottom w0.2: S73.2 223.18,38.35 D73.2
Net-(D74-A): length 7
  Bottom w0.2: S74.2 242.23,38.35 D74.2
Net-(D75-A): length 7
  Bottom w0.2: S75.2 270.99,38.37 D75.2
Net-(D76-A): length 7
  Bottom w0.2: D76.2 337.48,38.35 S76.2
Net-(D77-A): length 7
  Bottom w0.2: S77.2 30.36,19.31 D77.2
Net-(D78-A): length 7
  Bottom w0.2: S78.2 47.14,19.31 D78.2
Net-(D79-A): length 7
  Bottom w0.2: S79.2 77.99,19.31 D79.2
Net-(D80-A): length 7
  Bottom w0.2: D80.2 142.39,19.31 S80.2
Net-(D81-A): length 7
  Bottom w0.2: S81.2 213.83,19.31 D81.2
Net-(D82-A): length 7
  Bottom w0.2: D82.2 237.64,19.31 S82.2
Net-(D83-A): length 7
  Bottom w0.2: D83.2 261.45,19.31 S83.2
Net-(D84-A): length 7
  Bottom w0.2: D84.2 285.26,19.31 S84.2
Net-(D85-A): length 7
  Bottom w0.2: S85.2 318.5,19.31 D85.2
Net-(D86-A): length 7
  Bottom w0.2: D86.2 337.55,19.31 S86.2
Net-(D87-A): length 7
  Bottom w0.2: S87.2 349.56,19.31 D87.2

## Copper pours and planes (outline as drawn; the poured copper is in the pictures)
(no net) on Top, Bottom: -5.54,164.87 -8.66,-5.34 453.17,-8.47 455.05,170.51 -6.79,166.75

## Text on the board
F.Silkscreen: {dblquote}I can do all things through Christ who strengthens me{dblquote} - Philippians 4:13
